# KiCad board Panel3-copy2.kicad_pcb (continued)
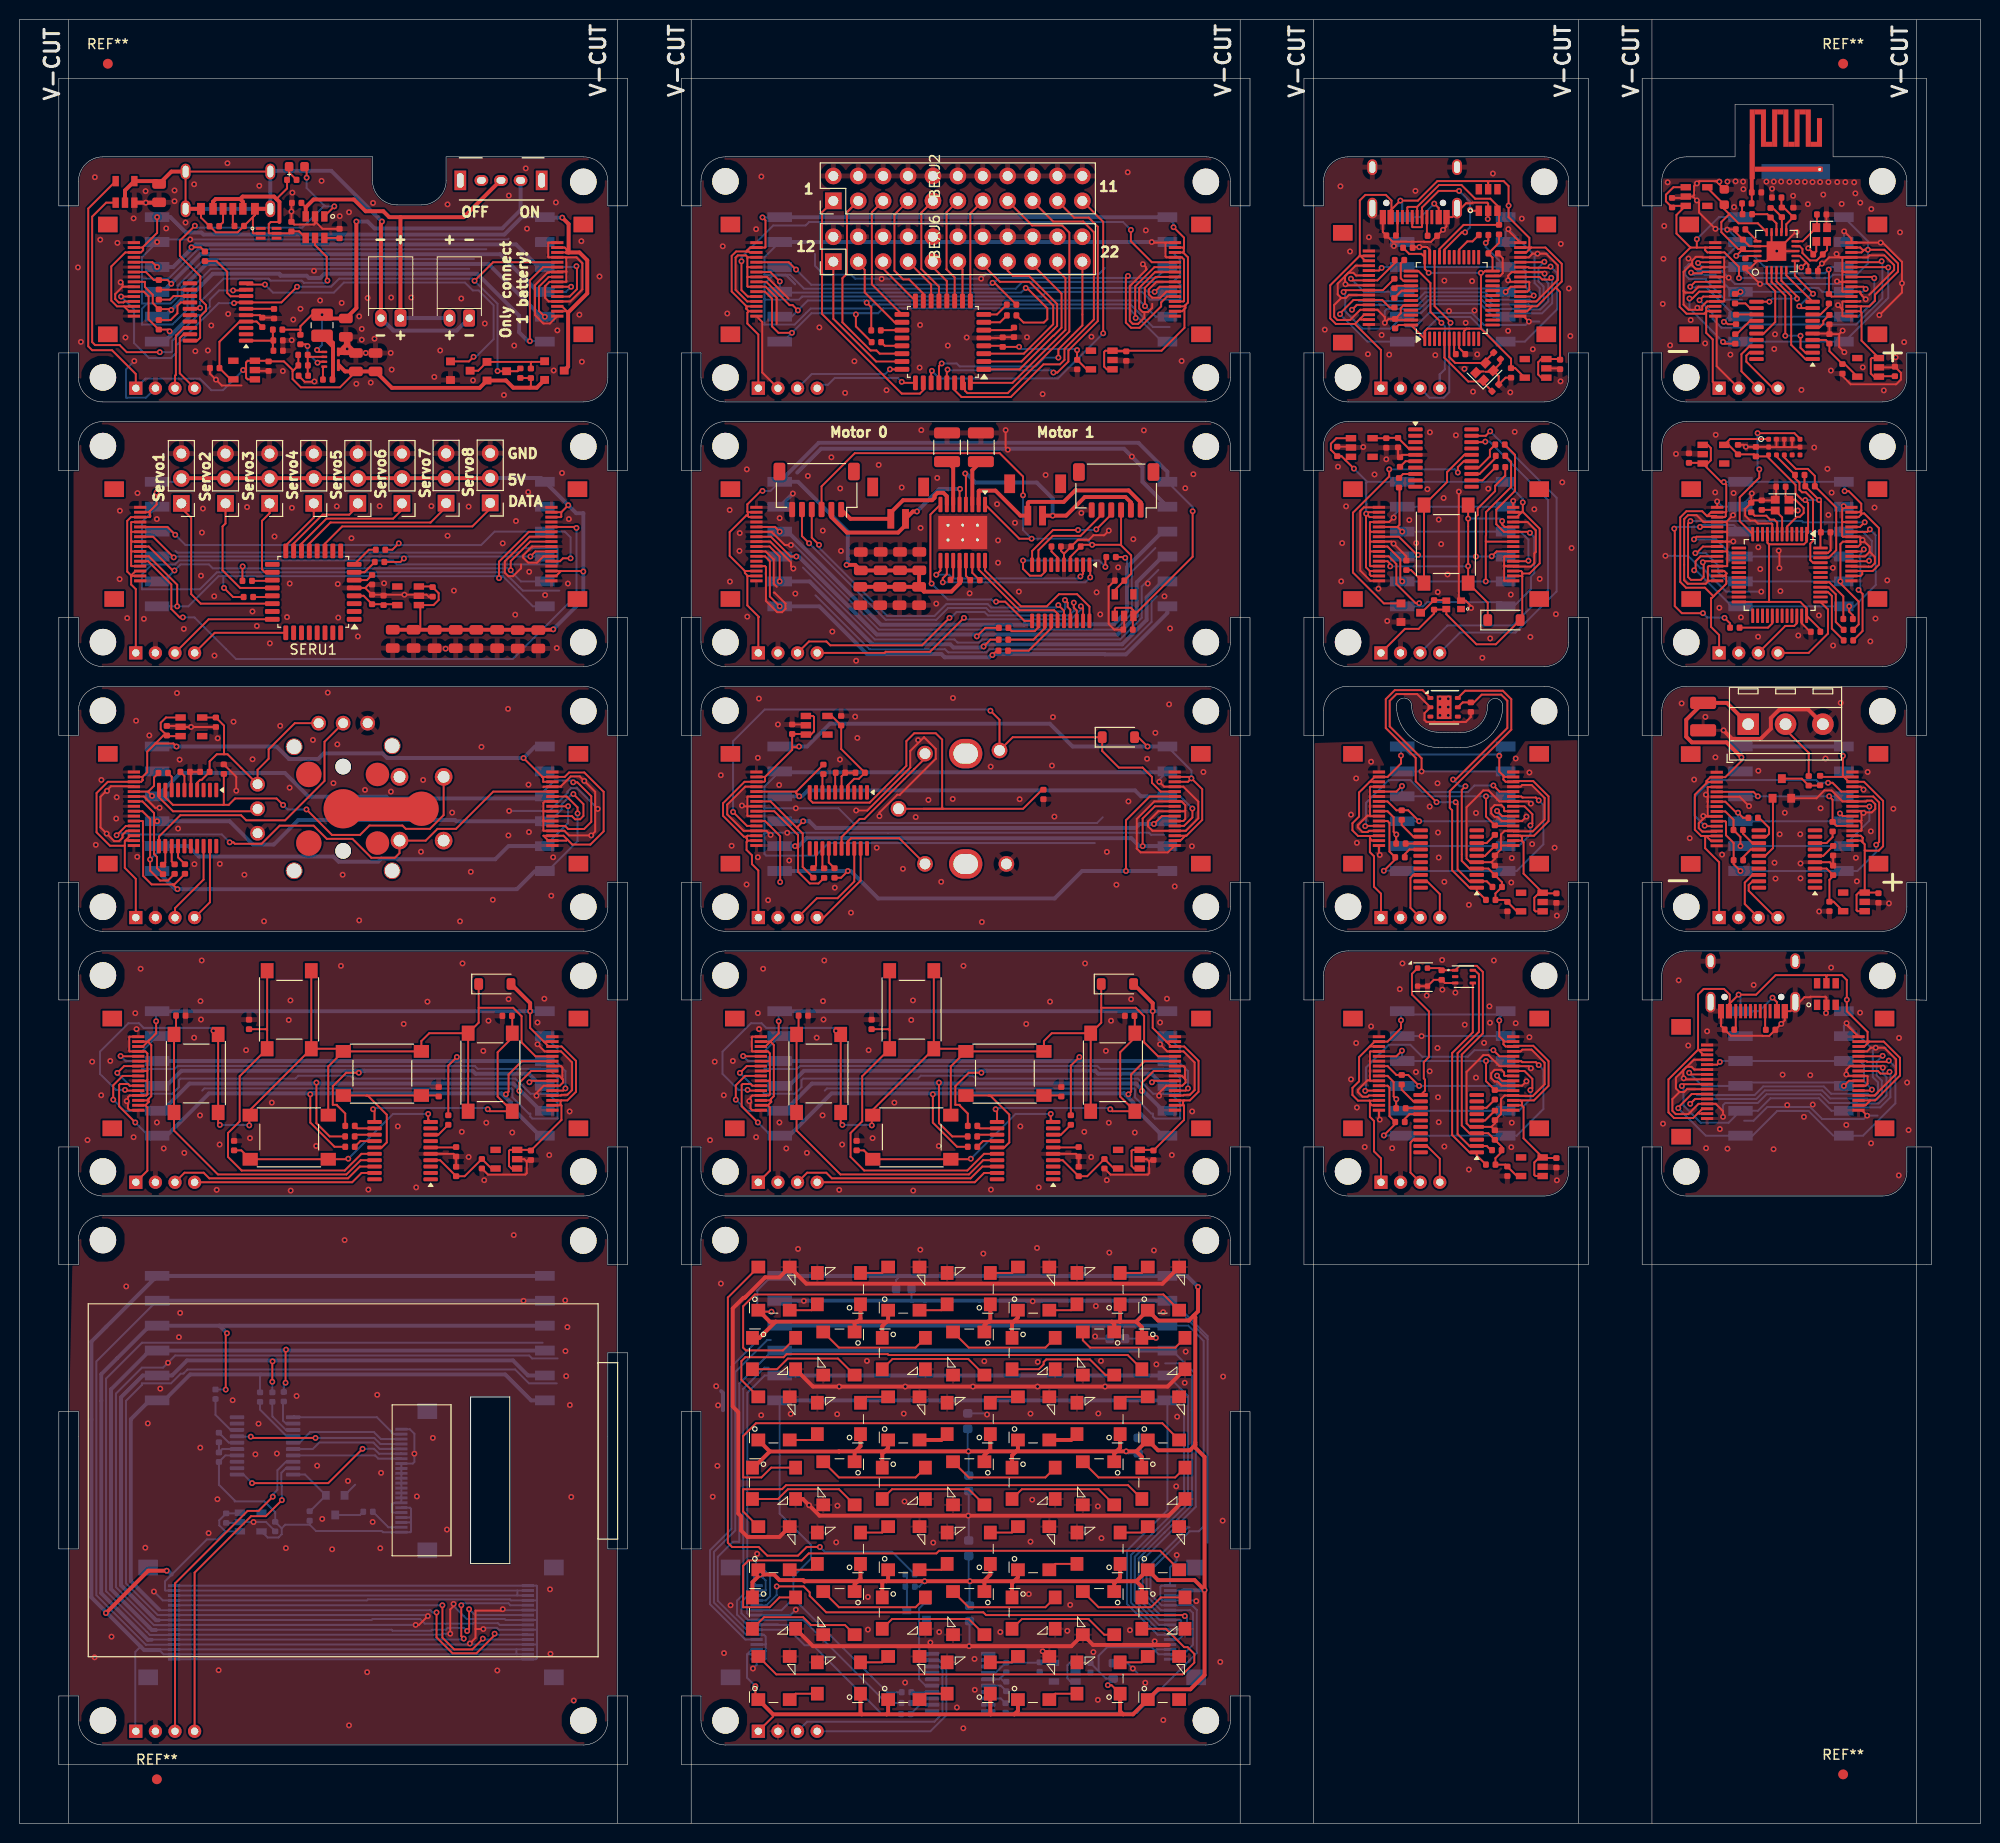
[diagram p0: board, top side]
## Routing (per net, layer and track width the routed paths; a pad name or vN(x,y) marks a point on that pad's centre or on a via; arc(x,y) is an arc through that point) (continued)
BEX_P5: length 4.3
  Top w0.2: BEXU1.12 94.58,157.32 93.16,158.74 93.16,159
BEX_P6: length 3.9
  Top w0.2: 95.7,159 96.17,158.53 BEXU1.10
BEX_P7: length 19.1
  Top w0.2: BEXU1.3 102.42,149.93 105.42,152.93 105.42,154.82 103,157.25 99.99,157.25 98.24,159
BEX_P8: length 18.3
  Top w0.2: BEXU1.2 102.19,149.12 105.83,152.76 105.83,154.99 102.97,157.85 101.33,157.85 100.78,158.4 100.78,159
BEX_P9: length 17.3
  Top w0.2: BEXU1.1 102,148.32 105.42,151.75 105.47,151.75 106.28,152.56 106.28,156.04 103.32,159
BEX_P10: length 18.9
  Top w0.2: BEXU1.32 101.28,146.95 106.67,152.35 106.67,157.62 105.86,158.44 105.86,159
BEX_P11: length 26.6
  Top w0.2: 83,165.5 81.85,164.35 81.85,153.97 89.97,145.85 91.82,145.85 92.17,146.2 BEXU1.26
BEX_P12: length 22.1
  Top w0.2: BEXJ2.3 84.39,164.36 84.39,158.1 84.39,158.09 83.92,157.62 83.92,153.12 86.8,150.25 87.4,150.25 87.72,149.93 BEXU1.22 ; 85.54,165.5 84.39,164.35
BEX_P13: length 13.3
  Top w0.2: 88.08,165.5 86.93,164.35 86.93,157 BEXU1.17
BEX_P14: length 12.3
  Top w0.2: 90.62,165.5 89.23,164.12 89.23,158.39 90.12,157.5 90.72,157.5 92.17,156.05 BEXU1.15
BEX_P15: length 11.4
  Top w0.2: 93.16,165.5 91.97,164.31 91.97,158.56 93.78,156.76 93.78,155.3
BEX_P16: length 11
  Top w0.2: 95.7,165.5 94.55,164.35 94.55,158.53 94.56,158.53 94.55,158.52 95.38,157.7 BEXU1.11
BEX_P17: length 10.7
  Top w0.2: BEXU1.9 96.97,164.24 98.24,165.5
BEX_P18: length 32.1
  Top w0.2: 100.78,165.5 103.28,163 106.34,163 107.08,162.27 107.08,152.18 100.79,145.9 96.67,145.9 96.42,146.15 96.42,146.95 BEXU1.31
BEX_P19: length 35.6
  Top w0.2: 103.32,165.5 105.42,163.4 108.48,163.4 109.58,162.31 109.58,153.41 106.58,150.41 106.58,149.29 106.12,148.83 104.43,148.83 101.1,145.5 96.08,145.5 95.38,146.2 BEXU1.30
BEX_P20: length 34.5
  Top w0.2: v1(94.65,148.3) 94.58,148.22 BEXU1.29 ; 105.86,165.5 107.56,163.8 109.05,163.8 109.97,162.88 109.97,153.25 106.98,150.25 106.98,149.13 105.85,148 v1(105.45,148)
  Bottom w0.2: v1(105.45,148) 105.22,148.22 94.72,148.22 v1(94.65,148.3)
BEX_P21: length 25.4
  Top w0.2: 108.41,159.31 108.41,152.81 105.96,150.36 v1(105.96,149.52) ; v1(94.05,148.93) 93.78,148.65 93.78,146.95 93.87,147.05
  Bottom w0.2: v1(94.05,148.93) 95.58,148.93 95.88,148.62 103.67,148.62 104.57,149.52 v1(105.96,149.52)
BEX_P22: length 35.3
  Top w0.2: v1(93.05,148.18) 92.97,148.1 BEXU1.27 ; 108.4,165.5 110.53,163.38 v1(110.53,152)
  Bottom w0.2: v1(93.05,148.18) 93.83,147.4 105.92,147.4 v1(110.53,152)
BEX_PS: length 60.8
  Top w0.2: v1(79.2,158.5) 78.45,159.25 BEXJ5.5 ; v1(99.24,157.15) 99.44,157.15 BEXR8.2 ; BEXJ7.5 117.04,155.75 116.44,155.15 116.44,154.75 114.25,152.56 113.37,152.56 112.84,153.1 112.84,157.64 v1(113.05,157.85)
  Bottom w0.2: 113.35,157.65 99.9,157.65 99.4,157.15 v1(99.24,157.15) 99.04,156.95 80.75,156.95 v1(79.2,158.5) 78.93,158.77 BEXJ1.3 ; 113.35,157.65 115.95,157.65 BEXJ3.4 ; 113.35,157.65 113.25,157.65 v1(113.05,157.85)
BEX_SCLK: length 54
  Top w0.2: BEXJ5.7 76.58,158.25 v1(77.54,157.29) ; BEXR5.2 102.4,153.1 104.48,153.1 104.83,153.45 104.83,154.55 102.75,156.62 v1(102.62,156.62) ; BEXJ7.7 116.3,156.75 v1(115.78,156.23)
  Bottom w0.2: BEXJ3.3 v1(115.78,156.23) 115.05,156.23 114.66,156.62 v1(102.62,156.62) ; 102.6,156.43 102.62,156.45 v1(102.62,156.62) ; v1(77.54,157.29) 77.54,156.24 BEXJ1.4 77.61,156.15 102.15,156.15 v1(102.62,156.62)
BEX_SWDCLK: length 10.7
  Top w0.2: BEXU1.25 90.08,146.95 v1(89.97,147.05)
  Bottom w0.2: BEXJ4.4 81.7,146.75 82.45,146.75 83.15,147.45 89.58,147.45 v1(89.97,147.05)
BEX_SWDIO: length 11.4
  Top w0.2: BEXU1.24 v1(88.78,148.32)
  Bottom w0.2: v1(88.78,148.32) 88.3,147.85 80.8,147.85 BEXJ4.3
BEX_VDD: length 12.6
  Top w0.2: BEXU1.4 100.17,150.72 BEXC4.1 101.94,150.62 v1(101.95,150.62) ; 107.88,149.3 108.84,148.32 BEXU2.5 ; 107.88,149.3 107.86,149.31 v1(107.86,150.29) ; 107.88,149.3 107.83,149.25
  Bottom w0.2: v1(101.95,150.62) 102.17,150.4 107.75,150.4 v1(107.86,150.29)
BLK_5V: length 92.8
  Top w0.2: BLKJ5.2 76.58,79.75 ; 76.58,79.75 76.72,79.89 ; 76.58,79.75 76.93,79.4 76.93,74.18 76.65,73.9 ; 118.67,73.33 118.67,73.66 118.77,73.75 ; 118.67,73.33 118.6,73.25 BLKJ3.2 ; 118.67,73.33 118.77,73.23 118.77,71.76 BLKC8.1 115.58,68.7 BLKU2.3 113.52,68.7 113.42,68.61 113.42,67.06 113.67,66.81 BLKU2.1 ; 76.72,79.89 77.42,80.59 v1(77.42,81.83) ; 76.72,79.89 76.08,79.25 BLKJ5.3 ; 118.77,73.75 119.36,73.75 120.25,74.64 120.25,77.79 118.79,79.25 BLKJ3.14 117.47,79.25 116.97,79.75 ; 118.77,73.75 BLKJ3.3 ; 76.65,73.9 76.5,73.75 BLKJ5.14 ; 76.65,73.9 76.65,73.63 76.67,73.6 76.33,73.25 ; BLKJ5.15 76.33,73.25 ; 76.33,73.25 76.53,73.05 76.53,66.58 BLKJ4.1 ; v1(115.58,82.85) 115.58,81.14 116.97,79.75 ; 116.97,79.75 BLKJ3.15
  Top w0.4: v1(115.58,82.85) 115.58,83.67 BLKD2.2
  Bottom w0.2: BLKJ1.1 77.42,82.75 v1(77.42,81.83)
  Bottom w0.4: BLKJ2.6 v1(115.58,82.85) BLKJ1.1
BLK_GND: length 181.8
  Top w0.2: 118.86,75.94 118.55,76.25 BLKJ3.8 ; 118.86,75.94 118.93,75.87 118.93,75.58 118.6,75.25 BLKJ3.6 116.97,75.25 116.22,74.5 v1(116.22,74.23) ; 118.86,75.94 118.86,77.11 118.72,77.25 BLKJ3.10 ; 74.55,73.55 74.55,72.93 74.73,72.75 BLKJ5.16 ; 74.55,73.55 74.55,74.07 74.73,74.25 BLKJ5.13 76.43,74.25 76.53,74.35 76.53,75.85 ; 74.55,73.55 v1(74.42,73.67) ; BLKC8.2 115.39,67.67 115.22,67.51 ; 76.53,75.85 76.53,76.78 ; 76.53,75.85 76.43,75.75 BLKJ5.10 ; 76.53,76.78 76.5,76.75 BLKJ5.8 ; 76.53,76.78 76.53,77.75 ; BLKU2.2 114.98,67.75 115.22,67.51 ; 115.22,67.51 115.22,66.33 115.08,66.18 111.28,66.18 BLKC9.2 ; BLKJ3.4 118.7,74.25 118.77,74.32 119.37,74.32 119.85,74.8 119.85,77.62 118.72,78.75 BLKJ3.13 117.05,78.75 v1(116.33,79.47) ; 76.53,77.75 76.53,78.55 76.33,78.75 BLKJ5.4 74.73,78.75 74.68,78.8 74.68,80.2 74.73,80.25 BLKJ5.1 ; 76.53,77.75 BLKJ5.6 ; BLKC2.2 BLKC1.2 107.75,68.3 BLKU3.5
  Bottom w0.2: 116.65,76.97 118.38,76.97 ; 116.65,76.97 117.44,76.97 118.38,76.03 118.38,74.43 116.65,74.43 ; 116.65,76.97 110.22,76.97 109.92,77.27 79.62,77.27 79.3,76.95 76,76.95 75.97,76.97 ; 82.12,74.75 82.34,74.97 113.66,74.97 113.77,74.87 113.77,74.07 115.43,72.4 115.59,72.4 115.59,72.1 115.8,71.89 118.38,71.89 118.38,73.49 117.44,74.43 116.65,74.43 ; 116.65,74.43 115.61,74.43 114.08,75.97 97.53,75.97 97.22,76.27 91.92,76.27 91.62,75.97 79.91,75.97 79.76,75.82 79.76,75.11 79.08,74.43 75.97,74.43 75.88,74.53 ; v1(116.33,79.47) 116.33,79.56 BLKJ2.5 118.38,79.01 ; BLKJ1.2 75.97,78.76
  vias: v1(70.42,69.7) v1(70.9,77.7) v1(71.83,74.28) v1(72.75,77.78) v1(75.12,70) v1(75.3,82.65) v1(75.42,81.03) v1(75.84,87.18) v1(77.5,71.5) v1(78.2,68.85) v1(80.3,68.4) v1(81.3,80.15) v1(81.9,72.22) v1(81.95,83.88) v1(82,82) v1(82.08,88.03) v1(83.6,64.62) v1(83.9,69.25) v1(86.6,78.88) v1(87,69.9) v1(89.22,73.53) v1(90.95,81.95) v1(91.12,83.95) v1(91.15,64.55) v1(93.75,69.1) v1(96.28,87.47) v1(99.08,64.65) v1(102.08,71.1) v1(102.67,81.55) v1(103.95,64.88) v1(105.1,83.83) v1(108.6,70.55) v1(108.67,87.72) v1(109.3,67.97) v1(110.8,78.8) v1(110.89,65.61) v1(111.1,71.47) v1(111.33,81.88) v1(113.38,84.08) v1(113.75,70.47) v1(116.33,81.7) v1(117.03,84.12) v1(117.53,68.17) v1(119.6,72.62)
BLK_Interrupt5V: length 100.5
  Top w0.2: BLKSW6.2 105.28,80.61 104.48,79.81 BLKSW3.2 BLKSW3.2 ; BLKSW6.2 110.33,81.68 110.33,83.2 ; BLKSW6.2 BLKSW6.2 ; v1(86.92,71.2) 86.92,72.16 BLKSW4.2 87.02,72.79 BLKSW2.2 ; BLKSW3.2 94.98,77.21 BLKSW4.2 ; BLKSW3.2 96.25,79.02 BLKSW2.2 ; BLKJ5.12 74.33,74.75 v1(74.25,74.83) ; BLKSW2.2 BLKSW2.2 ; BLKJ3.12 116.12,78.25 114.7,79.67 114.7,82.34 113.84,83.2 110.33,83.2 ; v1(83.28,80.85) 83.64,80.48 BLKSW1.2 BLKSW1.2 83.75,71.42 v1(83.92,71.25) ; 110.33,83.2 BLKD2.1
  Bottom w0.2: v1(83.92,71.25) 86.88,71.25 v1(86.92,71.2) ; v1(83.28,80.85) 82.97,81.15 76.15,81.15 75.67,81.62 74.6,81.62 71.7,78.72 71.7,76.45 73.33,74.83 v1(74.25,74.83)
BLK_MISO: length 63.5
  Top w0.2: BLKJ5.9 74.01,76.25 73.05,75.29 v1(73.05,73.83) ; BLKR4.2 95.13,70.08 93.78,71.43 v1(93.78,75.57) ; BLKJ3.9 115.67,76.75 114.47,75.55 v1(114.47,74.72)
  Bottom w0.2: v1(73.05,73.83) 74.19,72.69 BLKJ1.5
  Bottom w0.4: BLKJ1.5 78.04,72.69 80.82,75.47 113.87,75.47 116.65,72.69 BLKJ2.2
BLK_MOSI: length 68.3
  Top w0.2: BLKR2.2 95.62,69.02 93.15,71.49 v1(93.15,74.37) ; v1(113.1,74.37) 113.38,74.65 113.38,76.4 114.72,77.75 BLKJ3.11 ; v1(75.3,71.5) 73.65,73.15 73.65,75.33 73.75,75.42 74.56,75.42 74.73,75.25 BLKJ5.11
  Bottom w0.2: v1(75.3,71.5) 76.65,70.15 BLKJ1.6 ; 93.62,74.47 93.53,74.57 93.22,74.57 93.15,74.5 v1(93.15,74.37) ; 112.86,74.26 112.97,74.37 v1(113.1,74.37)
  Bottom w0.4: BLKJ1.6 78.5,70.15 82.83,74.47 112.66,74.47 113.6,73.53 113.6,73.12 116.58,70.15 BLKJ2.1
BLK_Net-(U3-NRST): length 2.6
  Top w0.2: BLKC1.1 107.98,68.95 BLKU3.6
BLK_Net-(U3-PA1): length 2.2
  Top w0.2: BLKR1.1 106.21,70.25 BLKU3.8
BLK_Net-(U3-PA5): length 2.1
  Top w0.2: BLKU3.12 97.94,70.9 BLKR3.1
BLK_Net-(U3-PA6): length 2.1
  Top w0.2: BLKU3.13 97.85,70.25 BLKR4.1
BLK_Net-(U3-PA7): length 2.3
  Top w0.2: BLKR2.1 98.27,69.6 BLKU3.14
BLK_PS: length 57.7
  Top w0.2: BLKJ5.5 73.83,78.25 v1(73.8,78.28) ; v1(119.17,74.97) 118.95,74.75 BLKJ3.5 ; v1(108.1,78.17) 107.22,77.3 BLKR1.2
  Bottom w0.2: BLKJ1.3 74.31,77.77 v1(73.8,78.28) ; 108.15,77.77 108.1,77.82 v1(108.1,78.17) ; v1(119.17,74.97) 119.17,76.74 118.14,77.77 BLKJ2.4
  Bottom w0.4: BLKJ1.3 BLKJ2.4
BLK_SCLK: length 59.6
  Top w0.2: BLKJ3.7 115.65,75.75 v1(115.5,75.6) ; v1(73.47,76.56) 74.16,77.25 BLKJ5.7 ; BLKR3.2 96.72,72.41 95.88,73.25 95.88,73.3 95.44,73.3 95.44,75.2 96.81,76.57 v1(98.1,76.57)
  Bottom w0.2: BLKJ1.4 74.8,75.23 v1(73.47,76.56) ; 115.92,75.97 115.55,75.6 v1(115.5,75.6)
  Bottom w0.4: BLKJ2.3 116.67,75.23 115.43,76.47 110.02,76.47 109.72,76.77 98.67,76.77 ; 98.67,76.77 98.3,76.77 v1(98.1,76.57) ; 98.67,76.77 80,76.77 78.46,75.23 BLKJ1.4
BLK_SW1: length 38.8
  Top w0.2: BLKU3.16 98.37,68.3 96.67,66.6 86.14,66.6 84.75,67.99 84.75,70.42 85.94,71.61 85.94,76.22 BLKSW2.1 88.75,80.9 ; 88.75,80.9 88.64,81.02 BLKR5.2 ; 88.75,80.9 BLKSW2.1
BLK_SW2: length 34.7
  Top w0.2: BLKU3.17 98.28,67.65 96.83,66.2 83.72,66.2 79.25,70.67 BLKSW1.1 BLKSW1.1 79.25,80.6 79.45,80.81 BLKR6.2
BLK_SW3: length 26.7
  Top w0.2: v1(111.25,72.85) 111.45,72.64 BLKSW6.1 112.26,74.14 112.26,78.67 113.75,80.16 BLKSW6.1 113.75,82.33 BLKR7.2 ; BLKU3.11 99.7,72.7 v1(99.55,72.85)
  Bottom w0.2: v1(99.55,72.85) 99.67,72.97 111.12,72.97 v1(111.25,72.85)
BLK_SW4: length 17
  Top w0.2: 98.85,74.25 BLKSW3.1 ; 98.85,74.25 99,74.25 100.95,72.3 100.95,69.46 100.44,68.95 BLKU3.15 ; 98.85,74.25 BLKSW3.1 106.15,74.25 BLKR9.2
BLK_SW5: length 23
  Top w0.2: v1(97.02,67.8) 96.97,67.75 BLKSW4.1 BLKSW4.1 86.11,68.66 BLKR8.2 ; BLKU3.10 105.17,71.8 v1(105.17,72.38)
  Bottom w0.2: v1(97.02,67.8) 101.6,72.38 v1(105.17,72.38)
BLK_SWDCLK: length 18.7
  Top w0.2: BLKU3.19 98.38,66.35 97.42,65.4 BLKJ4.4
BLK_SWDIO: length 21.5
  Top w0.2: BLKU3.18 98.2,67 97,65.8 82.85,65.8 82.28,66.38 80.33,66.38 BLKJ4.3
BLK_VDD: length 8.4
  Top w0.2: BLKU2.5 111.62,66.81 BLKC9.1 108.89,66.02 BLKC2.1 106.39,67.65 BLKU3.4
BTS_5V: length 92.8
  Top w0.2: BTSJ4.1 13.03,66.58 13.03,73.05 12.82,73.25 ; 53.47,79.75 52.08,81.14 v1(52.08,82.85) ; 53.47,79.75 BTSJ3.15 ; 53.47,79.75 53.97,79.25 BTSJ3.14 55.29,79.25 56.75,77.79 56.75,74.64 55.86,73.75 55.27,73.75 ; 12.82,73.25 13.18,73.6 13.15,73.63 13.15,73.9 ; 12.82,73.25 BTSJ5.15 ; BTSU2.1 50.17,66.81 49.92,67.06 49.92,68.61 50.02,68.7 BTSU2.3 52.09,68.7 BTSC8.1 55.27,71.76 55.27,73.23 55.17,73.33 ; 13.21,79.89 13.93,80.59 v1(13.93,81.83) ; 13.21,79.89 12.58,79.25 BTSJ5.3 ; 13.21,79.89 13.08,79.75 ; 13.08,79.75 13.43,79.4 13.43,74.18 13.15,73.9 ; 13.08,79.75 BTSJ5.2 ; 55.17,73.33 55.1,73.25 BTSJ3.2 ; 55.17,73.33 55.17,73.66 55.27,73.75 ; 55.27,73.75 BTSJ3.3 ; 13.15,73.9 13,73.75 BTSJ5.14
  Top w0.4: BTSD2.2 52.08,83.67 v1(52.08,82.85)
  Bottom w0.2: v1(13.93,81.83) 13.93,82.75 BTSJ1.1
  Bottom w0.4: BTSJ1.1 v1(52.08,82.85) 53.58,82.85
BTS_GND: length 181.8
  Top w0.2: 55.36,75.94 55.36,77.11 55.22,77.25 BTSJ3.10 ; 55.36,75.94 55.43,75.87 55.43,75.58 55.1,75.25 BTSJ3.6 53.47,75.25 52.73,74.5 v1(52.73,74.23) ; 55.36,75.94 55.05,76.25 BTSJ3.8 ; 51.73,67.51 51.48,67.75 BTSU2.2 ; 51.73,67.51 51.73,66.33 51.58,66.18 47.77,66.18 BTSC9.2 ; 51.73,67.51 51.88,67.67 BTSC8.2 ; BTSJ5.10 12.93,75.75 13.03,75.85 ; 11.05,73.55 11.05,72.93 11.23,72.75 BTSJ5.16 ; 11.05,73.55 11.05,74.07 11.23,74.25 BTSJ5.13 12.93,74.25 13.03,74.35 13.03,75.85 ; 11.05,73.55 v1(10.93,73.67) ; 13.03,75.85 13.03,76.78 ; BTSJ3.4 55.2,74.25 55.27,74.32 55.87,74.32 56.35,74.8 56.35,77.62 55.22,78.75 BTSJ3.13 53.55,78.75 v1(52.83,79.47) ; 13.03,76.78 13,76.75 BTSJ5.8 ; 13.03,76.78 13.03,77.75 ; BTSC2.2 BTSC1.2 44.25,68.3 BTSU3.5 ; BTSJ5.6 13.03,77.75 ; 13.03,77.75 13.03,78.55 12.82,78.75 BTSJ5.4 11.23,78.75 11.18,78.8 11.18,80.2 11.23,80.25 12.11,80.25
  Bottom w0.2: 53.15,74.43 53.94,74.43 54.88,73.49 54.88,71.89 52.3,71.89 52.09,72.1 52.09,72.4 51.93,72.4 50.27,74.07 50.27,74.87 50.16,74.97 18.84,74.97 18.62,74.75 ; 53.15,74.43 54.88,74.43 54.88,76.03 53.94,76.97 53.15,76.97 ; 53.15,74.43 52.12,74.43 50.58,75.97 34.02,75.97 33.73,76.27 28.43,76.27 28.12,75.97 16.41,75.97 16.26,75.82 16.26,75.11 15.57,74.43 12.47,74.43 12.38,74.53 ; 54.88,79.01 53.58,80.31 52.83,79.56 v1(52.83,79.47) ; 53.15,76.97 54.88,76.97 ; 53.15,76.97 46.73,76.97 46.42,77.27 16.12,77.27 15.8,76.95 12.5,76.95 12.47,76.97 ; BTSJ1.2 12.47,78.76
  vias: v1(6.92,69.7) v1(7.4,77.7) v1(8.32,74.28) v1(9.25,77.78) v1(11.62,70) v1(11.8,82.65) v1(11.93,81.03) v1(12.34,87.18) v1(14,71.5) v1(14.7,68.85) v1(16.8,68.4) v1(17.8,80.15) v1(18.45,83.88) v1(18.4,72.22) v1(18.5,82) v1(18.57,88.03) v1(20.1,64.62) v1(20.4,69.25) v1(23.1,78.88) v1(23.5,69.9) v1(25.73,73.53) v1(27.45,81.95) v1(27.62,83.95) v1(27.65,64.55) v1(30.25,69.1) v1(32.77,87.47) v1(35.58,64.65) v1(38.58,71.1) v1(39.17,81.55) v1(40.45,64.88) v1(41.6,83.83) v1(45.1,70.55) v1(45.17,87.72) v1(45.8,67.97) v1(47.3,78.8) v1(47.39,65.61) v1(47.6,71.47) v1(47.83,81.88) v1(49.88,84.08) v1(50.25,70.47) v1(52.83,81.7) v1(53.52,84.12) v1(54.02,68.17) v1(56.1,72.62)
BTS_Interrupt5V: length 100.5
  Top w0.2: v1(23.43,71.2) 23.43,72.16 BTSSW4.2 23.52,72.79 BTSSW2.2 ; 46.83,83.2 50.34,83.2 51.2,82.34 51.2,79.67 52.62,78.25 BTSJ3.12 ; 46.83,83.2 46.83,81.68 BTSSW6.2 ; 46.83,83.2 BTSD2.1 ; BTSSW2.2 BTSSW2.2 ; BTSSW2.2 32.75,79.02 BTSSW3.2 ; BTSSW4.2 31.48,77.21 BTSSW3.2 ; BTSSW6.2 41.78,80.61 40.98,79.81 BTSSW3.2 BTSSW3.2 ; BTSSW6.2 BTSSW6.2 ; v1(20.43,71.25) 20.25,71.42 BTSSW1.2 BTSSW1.2 20.14,80.48 v1(19.77,80.85) ; BTSJ5.12 10.82,74.75 v1(10.75,74.83)
  Bottom w0.2: v1(23.43,71.2) 23.38,71.25 v1(20.43,71.25) ; v1(19.77,80.85) 19.48,81.15 12.65,81.15 12.17,81.62 11.1,81.62 8.2,78.72 8.2,76.45 9.82,74.83 v1(10.75,74.83)
BTS_MISO: length 63.5
  Top w0.2: v1(50.97,74.72) 50.97,75.55 52.17,76.75 BTSJ3.9 ; 33.2,70.08 31.63,70.08 30.27,71.43 v1(30.27,75.57) ; BTSJ5.9 10.51,76.25 9.55,75.29 v1(9.55,73.83)
  Bottom w0.2: BTSJ1.5 10.68,72.69 v1(9.55,73.83)
  Bottom w0.4: BTSJ1.5 14.54,72.69 17.32,75.47 50.37,75.47 53.15,72.69 53.58,72.69
BTS_MOSI: length 68.3
  Top w0.2: v1(11.8,71.5) 10.15,73.15 10.15,75.33 10.25,75.42 11.05,75.42 11.23,75.25 BTSJ5.11 ; v1(49.6,74.37) 49.88,74.65 49.88,76.4 51.23,77.75 BTSJ3.11 ; BTSR2.2 32.12,69.02 29.65,71.49 v1(29.65,74.37)
  Bottom w0.2: 49.36,74.26 49.47,74.37 v1(49.6,74.37) ; v1(29.65,74.37) 29.65,74.5 29.72,74.57 30.02,74.57 30.12,74.47 ; BTSJ1.6 13.15,70.15 v1(11.8,71.5)
  Bottom w0.4: BTSJ1.6 15.01,70.15 19.32,74.47 49.16,74.47 50.1,73.53 50.1,73.12 53.08,70.15 53.58,70.15
BTS_Net-(U3-NRST): length 2.6
  Top w0.2: BTSC1.1 44.48,68.95 BTSU3.6
BTS_Net-(U3-PA1): length 2.2
  Top w0.2: BTSU3.8 42.71,70.25 BTSR1.1
BTS_Net-(U3-PA5): length 2.1
  Top w0.2: BTSU3.12 34.44,70.9 BTSR3.1
BTS_Net-(U3-PA6): length 2.1
  Top w0.2: BTSR4.1 34.35,70.25 BTSU3.13
BTS_Net-(U3-PA7): length 2.3
  Top w0.2: BTSR2.1 34.77,69.6 BTSU3.14
BTS_PS: length 57.7
  Top w0.2: BTSR1.2 43.73,77.3 v1(44.6,78.17) ; BTSJ3.5 55.45,74.75 v1(55.67,74.97) ; BTSJ5.5 10.32,78.25 v1(10.3,78.28)
  Bottom w0.2: v1(10.3,78.28) 10.8,77.77 BTSJ1.3 ; v1(44.6,78.17) 44.6,77.82 44.65,77.77 ; v1(55.67,74.97) 55.67,76.74 54.64,77.77 53.58,77.77
  Bottom w0.4: BTSJ1.3 53.58,77.77
BTS_SCLK: length 59.6
  Top w0.2: BTSJ5.7 10.66,77.25 v1(9.97,76.56) ; v1(52,75.6) 52.15,75.75 BTSJ3.7 ; v1(34.6,76.57) 33.31,76.57 31.95,75.2 31.95,73.3 32.38,73.3 32.38,73.25 33.22,72.41 BTSR3.2
  Bottom w0.2: v1(9.97,76.56) 11.29,75.23 BTSJ1.4 ; 52.42,75.97 52.05,75.6 v1(52,75.6)
  Bottom w0.4: 35.17,76.77 16.5,76.77 14.96,75.23 BTSJ1.4 ; 35.17,76.77 34.8,76.77 v1(34.6,76.57) ; 35.17,76.77 46.22,76.77 46.52,76.47 51.93,76.47 53.17,75.23 53.58,75.23
BTS_SW1: length 38.8
  Top w0.2: BTSU3.16 34.87,68.3 33.17,66.6 22.64,66.6 21.26,67.99 21.26,70.42 22.45,71.61 22.45,76.22 BTSSW2.1 25.25,80.9 ; 25.25,80.9 25.14,81.02 BTSR5.2 ; 25.25,80.9 BTSSW2.1
BTS_SW2: length 34.7
  Top w0.2: BTSR6.2 15.96,80.81 15.75,80.6 BTSSW1.1 BTSSW1.1 15.75,70.67 20.23,66.2 33.33,66.2 34.78,67.65 BTSU3.17
BTS_SW3: length 26.7
  Top w0.2: v1(47.75,72.85) 47.95,72.64 BTSSW6.1 48.76,74.14 48.76,78.67 50.25,80.16 BTSSW6.1 50.25,82.33 BTSR7.2 ; BTSU3.11 36.2,72.7 v1(36.05,72.85)
  Bottom w0.2: v1(47.75,72.85) 47.62,72.97 36.17,72.97 v1(36.05,72.85)
BTS_SW4: length 17
  Top w0.2: 35.35,74.25 BTSSW3.1 ; 35.35,74.25 35.5,74.25 37.45,72.3 37.45,69.46 36.94,68.95 BTSU3.15 ; 35.35,74.25 BTSSW3.1 42.65,74.25 BTSR9.2
BTS_SW5: length 23
  Top w0.2: v1(41.67,72.38) 41.67,71.8 BTSU3.10 ; BTSR8.2 22.61,68.66 BTSSW4.1 BTSSW4.1 33.47,67.75 v1(33.52,67.8)
  Bottom w0.2: v1(41.67,72.38) 38.1,72.38 v1(33.52,67.8)
BTS_SWDCLK: length 18.7
  Top w0.2: BTSU3.19 34.88,66.35 33.92,65.4 BTSJ4.4
BTS_SWDIO: length 21.5
  Top w0.2: BTSJ4.3 16.82,66.38 18.77,66.38 19.35,65.8 33.5,65.8 34.7,67 BTSU3.18
BTS_VDD: length 8.4
  Top w0.2: BTSU3.4 42.89,67.65 BTSC2.1 45.39,66.02 BTSC9.1 48.12,66.81 BTSU2.5
BUT_5V: length 77.7
  Top w0.2: BUTJ4.1 141.3,121.85 142.7,121.85 144.28,123.42 BUTR6.1 145.47,123.81 BUTD2.2 145.53,123.35 148.6,120.28 150.57,120.28 BUTD3.2 153.27,122.97 153.27,127.2 ; v1(137.35,133.6) 137.33,133.58 137.33,128.13 137.71,127.75 ; v1(137.35,133.6) 137.7,133.25 BUTJ1.3 ; v1(137.35,133.6) 137.5,133.75 BUTJ1.2 ; v1(153.32,134.75) 153.32,133.85 153.22,133.75 ; BUTJ3.3 153.15,127.75 153.25,127.65 153.25,127.5 ; v1(136.1,138.2) 135.25,139.05 ; 135.25,139.05 135.6,139.4 BUTU2.3 ; 135.25,139.05 134.84,139.47 BUTC8.1 133.75,140.12 133.75,140.74 134.31,141.3 BUTU2.1 ; BUTJ3.14 152.72,133.25 153.22,133.75 ; 153.22,133.75 153.36,133.75 155.05,132.06 155.05,128.54 154.01,127.5 153.25,127.5 ; 153.22,133.75 BUTJ3.15 ; 153.27,127.2 153.27,127.48 153.25,127.5 ; 153.27,127.2 153.22,127.25 BUTJ3.2 ; BUTJ1.14 137.71,127.75 ; 137.71,127.75 137.71,127.39 137.85,127.25 BUTJ1.15
  Bottom w0.2: v1(137.35,133.6) 137.35,136.75 137.45,136.85 ; BUTJ2.1 BUTJ5.6 153.32,135.1 v1(153.32,134.75) ; BUTJ2.1 140.6,136.85 ; BUTJ2.1 137.45,136.85 ; 137.45,136.85 v1(136.1,138.2)
BUT_GND: length 69.6
  Top w0.2: BUTJ3.13 153.8,132.75 154.65,131.9 154.65,129.7 154.5,129.55 154.5,128.55 154.15,128.2 152.4,128.2 BUTJ3.4 151.52,128.25 151.42,128.35 ; 137.73,131.85 137.73,132.7 137.78,132.75 BUTJ1.4 139.7,132.75 v1(140.15,133.2) ; 137.73,131.85 137.73,130.7 ; 137.73,131.85 137.83,131.75 BUTJ1.6 ; v1(152.35,134.9) 152.34,134.9 BUTJ3.16 ; BUTU2.2 135.72,140.44 BUTC8.2 ; BUTJ1.16 137.78,126.75 136.75,127.78 136.75,133.88 137.12,134.25 BUTJ1.1 ; BUTU3.5 141.04,139.6 BUTC1.2 140.6,139.56 140.6,140.37 ; BUTJ1.13 137.78,128.25 137.73,128.3 137.73,129.7 ; BUTJ3.6 151.47,129.25 151.42,129.2 151.42,128.35 ; BUTJ1.10 137.78,129.75 137.73,129.7 ; 148.05,124.19 v1(148.05,123.97) 148.05,124.17 147.5,124.72 BUTD2.3 146.8,124.95 v1(146.8,135.85) ; 137.73,129.7 137.73,130.7 ; 137.73,130.7 137.78,130.75 BUTJ1.8 139.95,130.75 v1(140.15,130.55) 141.45,129.25 BUTR5.1 ; 151.42,128.35 151.42,126.8 151.47,126.75 BUTJ3.1
  Bottom w0.2: v1(140.15,133.2) 140.15,133.44 BUTJ2.2 BUTJ5.5 152.17,134.9 v1(152.35,134.9)
  vias: v1(134.47,138.39) v1(134.8,126.7) v1(134.9,130.6) v1(135.3,134.35) v1(137.05,140.4) v1(138.2,137.6) v1(138.6,125.95) v1(139.4,139.15) v1(139.5,122.65) v1(141.75,132.95) v1(142.45,130.6) v1(143.6,136.1) v1(143.85,141.9) v1(144.65,125.6) v1(144.75,133) v1(145,130.5) v1(145.25,135.2) v1(145.65,127.4) v1(146.5,141.6) v1(149.2,118.9) v1(149.8,136.15) v1(150,120.88) v1(152.1,125.35) v1(152.5,141.95) v1(154.1,121.03) v1(154.5,134.05) v1(155.05,126.95) v1(156.7,123.35) v1(157.35,136.8) v1(158.3,130.1)
BUT_Interrupt5V: length 27.2
  Top w0.2: BUTD3.1 149.75,124.52 BUTSW2.2 v1(147.75,128.25) v1(147.75,133.1) BUTSW2.2 ; BUTJ1.12 139.53,128.75 139.8,128.48 v1(139.8,128.23) ; BUTJ3.12 151.47,132.25 151.22,132.5 v1(151.22,132.85)
  Bottom w0.2: v1(147.75,133.1) 150.97,133.1 v1(151.22,132.85) ; v1(139.8,128.23) 147.73,128.23 v1(147.75,128.25)
BUT_LED_DATA: length 27.6
  Top w0.2: v1(146.7,137.8) 146.7,138.35 147.3,138.95 BUTU3.15 ; BUTQ1.1 139.15,124.45 136,127.6 136,133.7 139.7,137.4 v1(139.7,138.12)
  Bottom w0.2: v1(146.7,137.8) 146.38,138.12 v1(139.7,138.12)
BUT_MISO: length 32.1
  Top w0.2: v1(141.03,126.69) 140.83,126.88 140.83,128.95 139.53,130.25 BUTJ1.9 ; BUTR4.2 152.13,138.91 152.13,136.32 149.58,133.77 149.58,131.38 ; BUTJ3.9 149.6,130.75 149.55,130.8 ; 149.55,131.35 149.55,130.8 ; 149.55,130.8 v1(149.55,126.69)
  Bottom w0.2: 141.43,126.69 v1(149.55,126.69) BUTJ5.2
BUT_MOSI: length 41
  Top w0.2: BUTR2.2 152.53,139.6 152.53,135.93 150.62,134.02 150.62,132.53 151.4,131.75 BUTJ3.11 153.95,131.75 v1(154.05,131.65) ; v1(142.76,124.47) 142.4,124.47 140.43,126.44 140.43,128.47 139.65,129.25 BUTJ1.11
  Bottom w0.2: v1(154.05,131.65) 154.5,131.2 154.5,127.55 154.15,127.2 154.15,125.9 152.4,124.15 BUTJ5.1 151.15,124.58 143.57,124.58 143.15,124.15 142.7,124.15 ; 142.7,124.15 142.76,124.21 v1(142.76,124.47) ; 142.7,124.15 BUTJ2.6
BUT_Net-(D2-DIN): length 3.2
  Top w0.2: BUTD2.4 145.47,124.78 BUTR6.2 142.99,123.5 BUTQ1.3
BUT_Net-(U3-NRST): length 1.8
  Top w0.2: BUTC1.1 141.37,138.95 BUTU3.6
BUT_Net-(U3-PA1): length 1.8
  Top w0.2: BUTR1.1 141.12,137.65 BUTU3.8
BUT_Net-(U3-PA5): length 3
  Top w0.2: BUTR3.1 149.22,137 BUTU3.12
BUT_Net-(U3-PA6): length 3.3
  Top w0.2: BUTR4.1 150.56,139.31 148.91,137.65 BUTU3.13
BUT_Net-(U3-PA7): length 3.8
  Top w0.2: BUTU3.14 148.84,138.3 149.97,139.43 149.97,140.1 BUTR2.1
BUT_PS: length 23.6
  Top w0.2: 140.54,132.25 v1(141.03,131.77) ; 140.54,132.25 BUTJ1.5 ; 140.54,132.25 140.75,132.45 140.75,136.22 BUTR1.2 ; v1(153.9,128.8) 153.85,128.75 BUTJ3.5
  Bottom w0.2: v1(153.9,128.8) 153.9,130.95 153.08,131.77 BUTJ5.4 v1(141.03,131.77)
BUT_SCLK: length 28.1
  Top w0.2: BUTJ3.7 150.65,129.75 v1(150.15,129.25) ; BUTJ1.7 140.7,131.25 142.55,129.4 v1(142.65,129.4) ; v1(148.55,129.23) 148.55,133.31 148.72,133.48 148.72,134.12 150.5,135.9 150.5,136.45 151.5,137.45 151.53,137.45 BUTR3.2
  Bottom w0.2: BUTJ2.4 150.13,129.23 v1(150.15,129.25) 151.56,129.25 BUTJ5.3
BUT_SW1: length 17.9
  Top w0.2: BUTU3.16 147.36,139.6 145.6,137.84 145.6,136.83 BUTSW2.1 BUTSW2.1 141.92,127.85 BUTR5.2
BUT_SWDCLK: length 35.7
  Top w0.2: v1(150,142) 149.55,141.55 BUTU3.19
  Bottom w0.2: v1(150,142) 156.77,135.23 156.77,125.67 152.57,121.47 146.93,121.47 BUTJ4.4
BUT_SWDIO: length 35.2
  Top w0.2: v1(149.5,140.95) 149.45,140.9 BUTU3.18
  Bottom w0.2: BUTJ4.3 145.65,122.2 152.3,122.2 155.9,125.8 155.9,135 149.95,140.95 v1(149.5,140.95)
BUT_VDD: length 4.8
  Top w0.2: BUTU2.5 BUTC9.1 139.44,141.34 BUTC2.1 141.69,140.25 BUTU3.4
DIA_5V: length 93.4
  Top w0.2: DIAJ1.2 76.03,106.75 ; 76.03,106.75 78.8,109.52 78.8,109.78 ; 76.03,106.75 76.03,106.33 75.95,106.25 DIAJ1.3 73.94,106.25 71.75,104.06 71.75,102.79 73.89,100.65 74.15,100.65 ; 78.8,109.78 DIAC8.1 80.14,111.13 DIAU2.3 80.7,111.06 81.03,111.39 81.03,112.87 80.93,112.97 DIAU2.1 ; 78.8,109.78 79.42,109.78 v1(79.5,109.85) ; v1(119.53,106.6) 119.17,106.25 DIAJ2.14 ; v1(119.53,106.6) 119.38,106.75 DIAJ2.15 ; v1(119.53,106.6) 120.62,105.5 120.62,102.36 119.02,100.75 118.9,100.75 ; 118.9,100.75 118.4,100.25 DIAJ2.2 ; 118.9,100.75 DIAJ2.3 ; DIAJ1.14 74.25,100.75 74.15,100.65 ; 74.15,100.65 74.15,100.47 74.2,100.42 74.2,100.17 ; v1(115.05,109.85) 114.1,110.8 113.72,110.8 ; DIAJ4.1 75.35,97.2 74.7,97.85 74.7,98.75 74.15,99.3 74.15,100.12 74.2,100.17 ; 74.2,100.17 74.28,100.25 DIAJ1.15
  Bottom w0.2: DIAJ5.6 119.53,107.4 v1(119.53,106.6)
  Bottom w0.4: DIAJ5.6 v1(115.05,109.85) 107.41,109.85 105.09,112.17 82.65,112.17 80.33,109.85 v1(79.5,109.85) DIAJ3.1
DIA_ENC_A: length 9.8
  Top w0.2: DIASW7.A 89.72,100.5 84.8,100.5 84.49,100.19 DIAU3.17
DIA_ENC_B: length 13.5
  Top w0.2: DIAU3.16 83.84,100.61 85.69,102.46 86.17,102.46 92.35,108.64 DIASW7.B
DIA_GND: length 235.6
  Top w0.2: DIAJ2.6 118.7,102.25 118.9,102.45 118.9,103.33 ; 118.9,103.33 118.83,103.25 DIAJ2.8 116.15,103.25 115.1,102.2 115.1,101.7 115.55,101.25 DIAJ2.4 118.95,101.25 120.22,102.53 120.22,104.22 118.7,105.75 DIAJ2.13 116.75,105.75 v1(116.25,106.25) ; 118.9,103.33 118.9,103.88 118.53,104.25 DIAJ2.10 115.73,104.25 113.95,102.47 113.95,99.44 114.34,99.05 117.12,99.05 DIAJ2.1 ; DIAJ1.8 73.75,103.75 v1(73.67,103.83) ; DIAJ1.4 74,105.75 72.17,103.92 72.17,102.93 73.85,101.25 DIAJ1.13 76.18,101.25 v1(76.6,100.83) ; DIAC2.2 DIAC1.2 83.84,106.8 DIAU3.5 ; DIAU2.2 80.11,112.1 DIAC8.2 ; DIAJ1.10 74.28,102.75 74.23,102.8 74.23,104.7 74.28,104.75 DIAJ1.6 ; v1(87.7,102.75) 87.7,103.11 89.52,104.93 89.78,104.93 93.45,108.6 93.45,109.6 92.25,110.8 90.85,109.4 90.85,107.71 86.47,103.33 v1(85.33,103.33)